# Altium PCB carrier_pcb.PcbDoc (part 1 of 3) (continued)
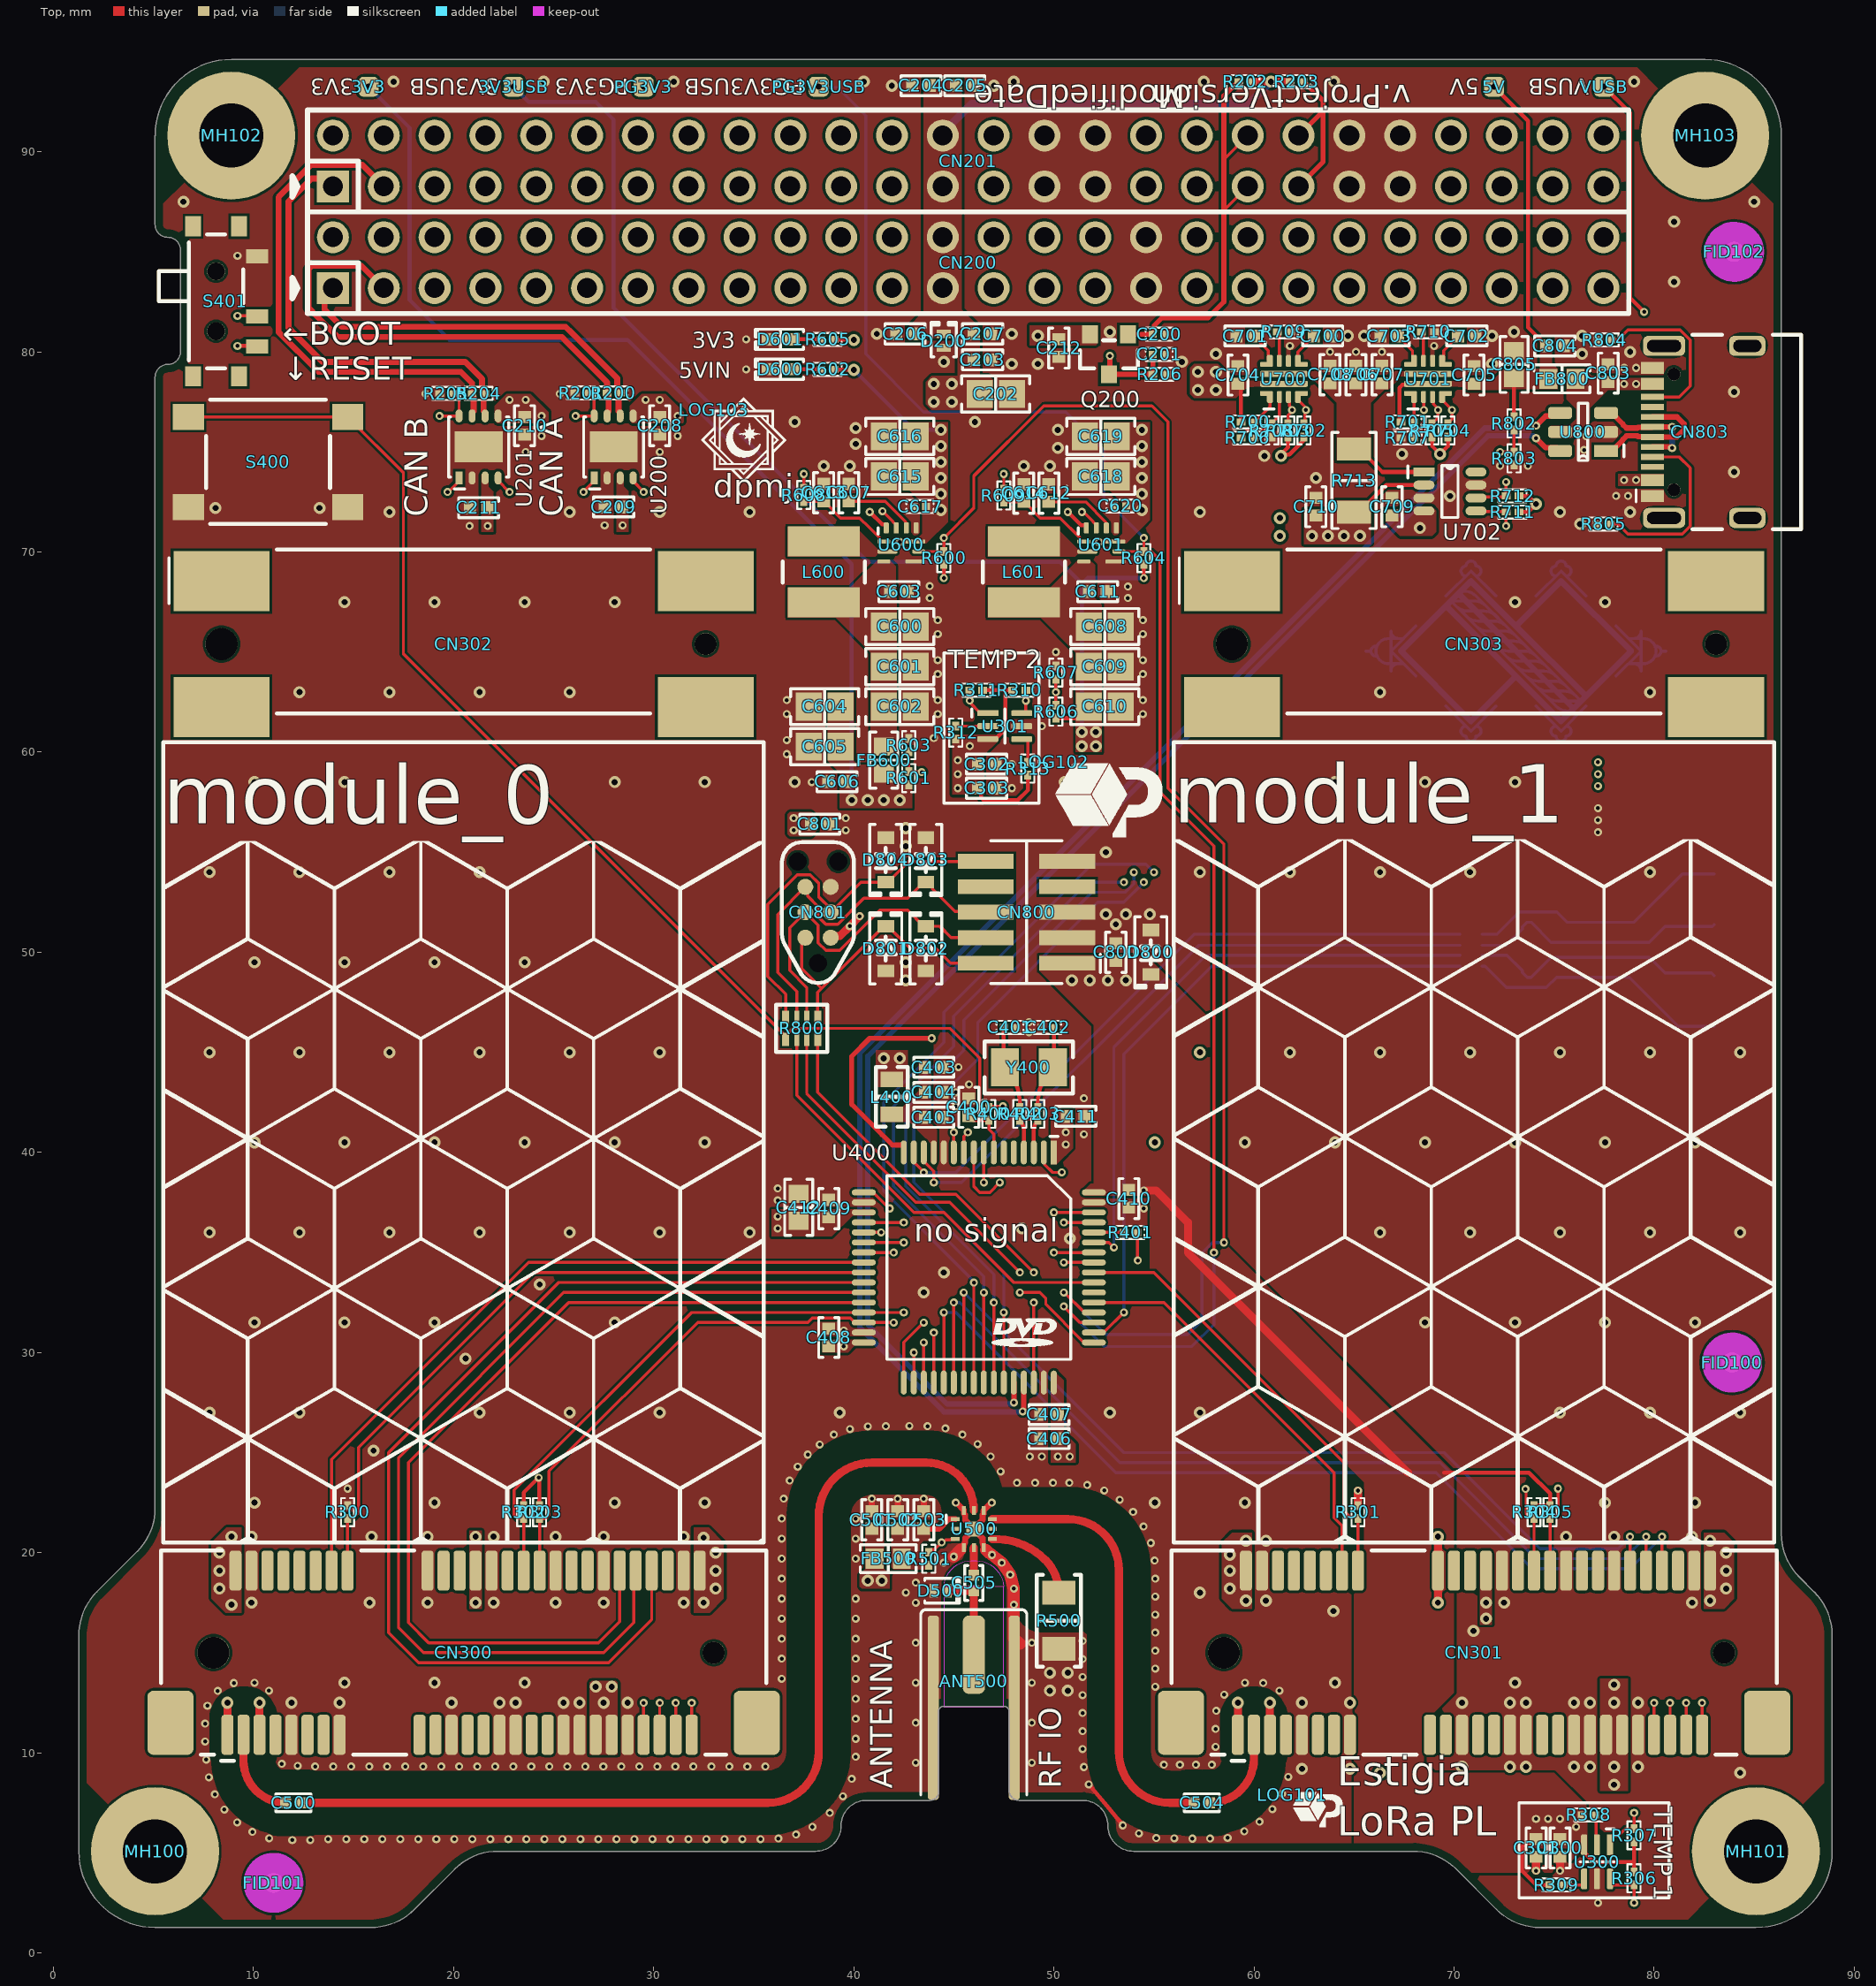
[diagram p0: Top view]
## Footprints (in the part's own frame and the unit in brackets; to place one, negate y for a bottom-side part, rotate by r counter-clockwise, add the part's x,y. Pads: shape width x height; smd on the part's side, far side on the other; paste and mask are expansions set on the pad) (continued)
  rrect50% 1x0.2 smd: 2(0.05,-1.175) 4(1.45,-1.675) 6(1.45,-0.675)
  rrect40% 0.25x0.55 smd: 7(1.5,0) 8(1,0) 9(0.5,0) 10(0,0)
  silkscreen extent -0.4,-0.3 -0.4,0, body extent -0.25,-1.92 1.75,0.08, height 1
VQFN-HR-TPS25947X [mm]
  rrect50% 0.6x0.3 smd: 1(-0.9,0.7) 4(-0.9,-0.7) 7(0.9,-0.7) 10(0.9,0.7)
  rrect50% 0.25x0.65 smd: 1(-0.725,0.875) 4(-0.725,-0.875) 7(0.725,-0.875) 10(0.725,0.875)
  rrect50% 0.6x0.25 smd: 2(-0.9,0.225) 3(-0.9,-0.225) 8(0.9,-0.225) 9(0.9,0.225)
  rrect50% 0.3x2.4 smd: 5(-0.25,0) 6(0.25,0)
  silkscreen extent -1.5,0.5 -1.5,1, body extent -1,-1 1,1, height 1
WS-TASV_L6W6H4.3_4301x20438x6 [mm] "SMD Tact Switch, body 6x6mm"
  rect 1.55x1.3 smd: A1(-3.975,2.25) A2(3.975,2.25) B1(-3.975,-2.25) B2(3.975,-2.25)
  silkscreen extent -3.1,-3.1 3.1,3.1, body extent -4.5,-3.1 4.5,3.1, height 4.3
"WURTH WS-SLSU 450404015514" [mm] "Right angle Slide Switch"
  rect 0.7x1.1 smd: 1(2.25,-2.05) 2(-0.75,-2.05) 3(-2.25,-2.05)
  rect 1x0.8 smd: M(-3.75,-1.15) M(-3.75,1.15) M(3.75,-1.15) M(3.75,1.15)
  round 0.9 hole 0.9 unplated: MH(-1.5,0) MH(1.5,0)
  silkscreen extent -3.35,-1.35 3.35,2.85, body extent -3.85,-2.25 3.85,2.88, height 1.4

## Part data
3V3 3V3USB 5V PG3V3 PG3V3USB VUSB: library part TestPoint-VIA, "Test point, thru-hole"
ANT500: library part MMCX-CONMMCX013, "MMCX Jack PCB Cutout Edge Mount Connector 0 to 8.5 GHz operation MMCX (female socket) connection"
C200 C201: library part GRM0335C1E221JA01D, "CAP CER 220PF 25V C0G/NP0 0201", Device Package="0201 (0603 Metric)", manufacturer="Murata Electronics", Operating Temperature="-55°C ~ 125°C", Supplier Part Number 1=490-GRM0335C1E221JA01DCT-ND, Temperature Coefficient="C0G, NP0", Tolerance=±5%, Voltage - Rated=25V, Applications="General Purpose", Capacitance="220 pF", componentlink2description="DigiKey Link", componentlink2url=https://www.digikey.com/en/products/detail/murata-electronics/GRM0335C1E221JA01D/10697031, lastupdated="04/06/2024 19:01:01", Lifecycle Status=Active, Minimum Order=1, Mounting Type="Surface Mount, MLCC", Package / Case="0201 (0603 Metric)", packaging=CutTape, Part Number=GRM0335C1E221JA01D, Part Status=Active, partid=46083, price=0.01, series=GRM, Size / Dimension="0.024\" L x 0.012\" W (0.60mm x 0.30mm)", Supplier 1=DigiKey, Thickness (Max)="0.013\" (0.33mm)"
C202: library part GRM21BR61A476ME15K, "CAP CER 47UF 10V X5R 0805", Device Package="0805 (2012 Metric)", manufacturer="Murata Electronics", Operating Temperature="-55°C ~ 85°C", Supplier Part Number 1=490-GRM21BR61A476ME15KCT-ND, Temperature Coefficient=X5R, Tolerance=±20%, Voltage - Rated=10V, Applications="General Purpose", Capacitance="47 µF", ComponentLink1Description=Datasheet, ComponentLink1URL=https://www.murata.com/-/media/webrenewal/support/library/catalog/products/capacitor/ceramiccapacitor/c02e.ashx?la=en-us&cvid=20210120024548000000, componentlink2description="DigiKey Link", componentlink2url=https://www.digikey.com/en/products/detail/murata-electronics/GRM21BR61A476ME15K/4905528, lastupdated="09/02/2024 20:14:59", Lifecycle Status=Active, Minimum Order=1, Mounting Type="Surface Mount, MLCC", Package / Case="0805 (2012 Metric)", packaging=TapeAndReel, Part Number=GRM21BR61A476ME15K, Part Status=Active, partid=44285, price=0.13, series=GRM, Size / Dimension="0.079\" L x 0.049\" W (2.00mm x 1.25mm)", Supplier 1=DigiKey, Thickness (Max)="0.057\" (1.45mm)"
C203 C301 C303 C403 C406 C708: library part GRT155C71A105KE13D, "CAP CER 1UF 10V X7S 0402", Device Package="0402 (1005 Metric)", manufacturer="Murata Electronics", Operating Temperature="-55°C ~ 125°C", Ratings=AEC-Q200, Supplier Part Number 1=490-GRT155C71A105KE13DCT-ND, Temperature Coefficient=X7S, Tolerance=±10%, Voltage - Rated=10V, Applications=Automotive, Capacitance="1 µF", ComponentLink1Description=Datasheet, ComponentLink1URL=https://search.murata.co.jp/Ceramy/image/img/A01X/G101/ENG/GRT155C71A105KE13-01.pdf, componentlink2description="DigiKey Link", componentlink2url=https://www.digikey.com/en/products/detail/murata-electronics/GRT155C71A105KE13D/10695747, lastupdated="09/02/2024 20:04:05", Lifecycle Status=Active, Minimum Order=1, Mounting Type="Surface Mount, MLCC", Package / Case="0402 (1005 Metric)", packaging=TapeAndReel, Part Number=GRT155C71A105KE13D, Part Status=Active, partid=47127, price=0.04, series=GRT, Size / Dimension="0.039\" L x 0.020\" W (1.00mm x 0.50mm)", Supplier 1=DigiKey, Thickness (Max)="0.024\" (0.60mm)"
C204 C205 C206 C207 C208 C209 C210 C211 C212 C300 C302 C400 C404 C407 C408 C409 C410 C411 C501 C502 C603 C606 C611 C613 C614 C704 C705 C706 C707 C709 C710 C800 C801 C802 C803 C804: library part C0402C104K4RECAUTO, "CAP CER 0402 0.1UF 16V X7R 10%", Device Package="0402 (1005 Metric)", manufacturer=KEMET, Operating Temperature="-55°C ~ 125°C", Ratings=AEC-Q200, Supplier Part Number 1=399-17167-1-ND, Temperature Coefficient=X7R, Tolerance=±10%, Voltage - Rated=16V, Applications="Automotive, ESD Protection", Capacitance="0.1 µF", ComponentLink1Description=Datasheet, ComponentLink1URL=https://api.kemet.com/component-edge/download/datasheet/C0402C104K4RECAUTO.pdf, componentlink2description="DigiKey Link", componentlink2url=https://www.digikey.com/en/products/detail/kemet/C0402C104K4RECAUTO/8563695, lastupdated="09/02/2024 20:04:38", Lifecycle Status=Active, Minimum Order=1, Mounting Type="Surface Mount, MLCC", Package / Case="0402 (1005 Metric)", packaging=TapeAndReel, Part Number=C0402C104K4RECAUTO, Part Status=Active, partid=1731, price=0.01, series="ESD SMD Auto X7R", Size / Dimension="0.039\" L x 0.020\" W (1.00mm x 0.50mm)", Supplier 1=DigiKey, Thickness (Max)="0.022\" (0.55mm)"
C401 C402: library part CBR02C120F3GAC, "CAP CER 12PF 25V C0G/NP0 0201", Device Package="0201 (0603 Metric)", manufacturer=KEMET, Operating Temperature="-55°C ~ 125°C", Supplier Part Number 1=399-8604-1-ND, Temperature Coefficient="C0G, NP0", Tolerance=±1%, Voltage - Rated=25V, Applications="RF, Microwave, High Frequency", Capacitance="12 pF", ComponentLink1Description=Datasheet, ComponentLink1URL=https://api.kemet.com/component-edge/download/datasheet/CBR02C120F3GAC.pdf, componentlink2description="DigiKey Link", componentlink2url=https://www.digikey.com/en/products/detail/kemet/CBR02C120F3GAC/3479199, Features="High Q, Low Loss, Ultra Low ESR", lastupdated="04/06/2024 19:01:11", Lifecycle Status=Active, Minimum Order=1, Mounting Type="Surface Mount, MLCC", Package / Case="0201 (0603 Metric)", packaging=TapeAndReel, Part Number=CBR02C120F3GAC, Part Status=Active, partid=143, price=0.07, series="CBR-SMD RF C0G", Size / Dimension="0.024\" L x 0.012\" W (0.60mm x 0.30mm)", Supplier 1=DigiKey, Thickness (Max)="0.013\" (0.33mm)"
C405 C503: library part GRM1555C1E103JE01J, "CAP CER 10000PF 25V C0G/NP0 0402", Device Package="0402 (1005 Metric)", manufacturer="Murata Electronics", Operating Temperature="-55°C ~ 125°C", Supplier Part Number 1=490-GRM1555C1E103JE01JCT-ND, Temperature Coefficient="C0G, NP0", Tolerance=±5%, Voltage - Rated=25V, Applications="General Purpose", Capacitance="10000 pF", ComponentLink1Description=Datasheet, ComponentLink1URL=https://search.murata.co.jp/Ceramy/image/img/A01X/G101/ENG/GRM1555C1E103JE01-01A.pdf, componentlink2description="DigiKey Link", componentlink2url=https://www.digikey.com/en/products/detail/murata-electronics/GRM1555C1E103JE01J/16033801, lastupdated="09/02/2024 20:04:09", Lifecycle Status=Active, Minimum Order=1, Mounting Type="Surface Mount, MLCC", Package / Case="0402 (1005 Metric)", packaging=TapeAndReel, Part Number=GRM1555C1E103JE01J, Part Status=Active, partid=41084, price=0.02, series=GRM, Size / Dimension="0.039\" L x 0.020\" W (1.00mm x 0.50mm)", Supplier 1=DigiKey, Thickness (Max)="0.026\" (0.65mm)"
C412 C805: library part GRM188Z71C475KE21J, "CAP CER 4.7UF 16V X7R 0603", Device Package="0603 (1608 Metric)", manufacturer="Murata Electronics", Operating Temperature="-55°C ~ 125°C", Supplier Part Number 1=490-GRM188Z71C475KE21JCT-ND, Temperature Coefficient=X7R, Tolerance=±10%, Voltage - Rated=16V, Applications="General Purpose", Capacitance="4.7 µF", ComponentLink1Description=Datasheet, ComponentLink1URL=https://search.murata.co.jp/Ceramy/image/img/A01X/G101/ENG/GRM188Z71C475KE21-01A.pdf, componentlink2description="DigiKey Link", componentlink2url=https://www.digikey.com/en/products/detail/murata-electronics/GRM188Z71C475KE21J/16033436, lastupdated="09/02/2024 20:09:51", Lifecycle Status=Active, Minimum Order=1, Mounting Type="Surface Mount, MLCC", Package / Case="0603 (1608 Metric)", packaging=TapeAndReel, Part Number=GRM188Z71C475KE21J, Part Status=Active, partid=41988, price=0.04, series=GRM, Size / Dimension="0.063\" L x 0.031\" W (1.60mm x 0.80mm)", Supplier 1=DigiKey, Thickness (Max)="0.039\" (1.00mm)"
C500 C504 C505: library part CBR04C101J3GAC, "CAP CER 100PF 25V C0G/NP0 0402", Device Package="0402 (1005 Metric)", manufacturer=KEMET, Operating Temperature="-55°C ~ 125°C", Supplier Part Number 1=399-17684-1-ND, Temperature Coefficient="C0G, NP0", Tolerance=±5%, Voltage - Rated=25V, Applications="RF, Microwave, High Frequency", Capacitance="100 pF", ComponentLink1Description=Datasheet, ComponentLink1URL=https://api.kemet.com/component-edge/download/datasheet/CBR04C101J3GAC.pdf, componentlink2description="DigiKey Link", componentlink2url=https://www.digikey.com/en/products/detail/kemet/CBR04C101J3GAC/8572519, Features="High Q, Low Loss, Ultra Low ESR", lastupdated="03/06/2024 19:38:14", Lifecycle Status=Active, Minimum Order=1, Mounting Type="Surface Mount, MLCC", Package / Case="0402 (1005 Metric)", packaging=TapeAndReel, Part Number=CBR04C101J3GAC, Part Status=Active, partid=681, price=0.02, series="CBR-SMD RF C0G", Size / Dimension="0.039\" L x 0.020\" W (1.00mm x 0.50mm)", Supplier 1=DigiKey, Thickness (Max)="0.022\" (0.55mm)"
C600 C601 C602 C604 C605 C608 C609 C610: library part C2012X7S1A226M125AC, "CAP CER 22UF 10V X7S 0805", Device Package="0805 (2012 Metric)", manufacturer="TDK Corporation", Operating Temperature="-55°C ~ 125°C", Supplier Part Number 1=445-14560-1-ND, Temperature Coefficient=X7S, Tolerance=±20%, Voltage - Rated=10V, Applications="General Purpose", Capacitance="22 µF", ComponentLink1Description=Datasheet, ComponentLink1URL=https://product.tdk.com/info/en/catalog/datasheets/mlcc_commercial_general_en.pdf?ref_disty=digikey, componentlink2description="DigiKey Link", componentlink2url=https://www.digikey.com/en/products/detail/tdk-corporation/C2012X7S1A226M125AC/3951796, Features="Low ESL", lastupdated="09/02/2024 20:15:52", Lifecycle Status=Active, Minimum Order=1, Mounting Type="Surface Mount, MLCC", Package / Case="0805 (2012 Metric)", packaging=TapeAndReel, Part Number=C2012X7S1A226M125AC, Part Status=Active, partid=47319, price=0.23, series=C, Size / Dimension="0.079\" L x 0.049\" W (2.00mm x 1.25mm)", Supplier 1=DigiKey, Thickness (Max)="0.057\" (1.45mm)"
C607 C612: library part CGA2B1X7S1C474K050BC, "CAP CER 0.47UF 16V X7S 0402", Device Package="0402 (1005 Metric)", manufacturer="TDK Corporation", Operating Temperature="-55°C ~ 125°C", Ratings=AEC-Q200, Supplier Part Number 1=445-174214-1-ND, Temperature Coefficient=X7S, Tolerance=±10%, Voltage - Rated=16V, Applications=Automotive, Capacitance="0.47 µF", ComponentLink1Description=Datasheet, ComponentLink1URL=https://product.tdk.com/info/en/catalog/datasheets/mlcc_automotive_general_en.pdf?ref_disty=digikey, componentlink2description="DigiKey Link", componentlink2url=https://www.digikey.com/en/products/detail/tdk-corporation/CGA2B1X7S1C474K050BC/4931442, lastupdated="09/02/2024 20:04:28", Lifecycle Status=Active, Minimum Order=1, Mounting Type="Surface Mount, MLCC", Package / Case="0402 (1005 Metric)", packaging=TapeAndReel, Part Number=CGA2B1X7S1C474K050BC, Part Status=Active, partid=7602, price=0.03, series=CGA, Size / Dimension="0.039\" L x 0.020\" W (1.00mm x 0.50mm)", Supplier 1=DigiKey, Thickness (Max)="0.022\" (0.55mm)"
C615 C616 C618 C619: library part C2012X7S1E106K125AC, "CAP CER 10UF 25V X7S 0805", Device Package="0805 (2012 Metric)", manufacturer="TDK Corporation", Operating Temperature="-55°C ~ 125°C", Supplier Part Number 1=445-181600-1-ND, Temperature Coefficient=X7S, Tolerance=±10%, Voltage - Rated=25V, Applications="General Purpose", Capacitance="10 µF", ComponentLink1Description=Datasheet, ComponentLink1URL=https://product.tdk.com/en/search/capacitor/ceramic/mlcc/info?part_no=C2012X7S1E106K125AC?ref_disty=digikey, componentlink2description="DigiKey Link", componentlink2url=https://www.digikey.com/en/products/detail/tdk-corporation/C2012X7S1E106K125AC/9991385, Features="Low ESL", lastupdated="09/02/2024 20:16:06", Lifecycle Status=Active, Minimum Order=1, Mounting Type="Surface Mount, MLCC", Package / Case="0805 (2012 Metric)", packaging=TapeAndReel, Part Number=C2012X7S1E106K125AC, Part Status=Active, partid=39303, price=0.11, series=C, Size / Dimension="0.079\" L x 0.049\" W (2.00mm x 1.25mm)", Supplier 1=DigiKey, Thickness (Max)="0.059\" (1.50mm)"
C617 C620: library part CC0201KRX7R8BB222, "CAP CER 2200PF 25V X7R 0201", Device Package="0201 (0603 Metric)", manufacturer=Yageo, Operating Temperature="-55°C ~ 125°C", Supplier Part Number 1=13-CC0201KRX7R8BB222CT-ND, Temperature Coefficient=X7R, Tolerance=±10%, Voltage - Rated=25V, Applications="General Purpose", Capacitance="2200 pF", ComponentLink1Description=Datasheet, ComponentLink1URL=https://www.yageo.com/upload/media/product/productsearch/datasheet/mlcc/UPY-GPHC_X7R_6.3V-to-250V_22.pdf, componentlink2description="DigiKey Link", componentlink2url=https://www.digikey.com/en/products/detail/yageo/CC0201KRX7R8BB222/11490225, lastupdated="04/06/2024 19:00:56", Lifecycle Status=Active, Minimum Order=1, Mounting Type="Surface Mount, MLCC", Package / Case="0201 (0603 Metric)", packaging=CutTape, Part Number=CC0201KRX7R8BB222, Part Status=Active, partid=52408, price=0.01, series=CC, Size / Dimension="0.024\" L x 0.012\" W (0.60mm x 0.30mm)", Supplier 1=DigiKey, Thickness (Max)="0.013\" (0.33mm)"
C700 C702: library part GRM1557U1A332JA01D, "CAP CER 3300PF 10V U2J 0402", Device Package="0402 (1005 Metric)", manufacturer="Murata Electronics", Operating Temperature="-55°C ~ 125°C", Supplier Part Number 1=490-6276-1-ND, Temperature Coefficient=U2J, Tolerance=±5%, Voltage - Rated=10V, Applications="General Purpose", Capacitance="3300 pF", ComponentLink1Description=Datasheet, ComponentLink1URL=https://www.murata.com/~/media/webrenewal/support/library/catalog/products/capacitor/mlcc/c02e.ashx?la=en-us, componentlink2description="DigiKey Link", componentlink2url=https://www.digikey.com/en/products/detail/murata-electronics/GRM1557U1A332JA01D/2610576, lastupdated="09/02/2024 20:04:23", Lifecycle Status=Active, Minimum Order=1, Mounting Type="Surface Mount, MLCC", Package / Case="0402 (1005 Metric)", packaging=TapeAndReel, Part Number=GRM1557U1A332JA01D, Part Status=Active, partid=11059, price=0.01, series=GRM, Size / Dimension="0.039\" L x 0.020\" W (1.00mm x 0.50mm)", Supplier 1=DigiKey, Thickness (Max)="0.022\" (0.55mm)"
C701 C703: library part C0402C222J8JAC7867, "CAP CER 2200PF 10V U2J 0402", Device Package="0402 (1005 Metric)", manufacturer=KEMET, Operating Temperature="-55°C ~ 125°C", Supplier Part Number 1=399-13404-1-ND, Temperature Coefficient=U2J, Tolerance=±5%, Voltage - Rated=10V, Applications="General Purpose", Capacitance="2200 pF", ComponentLink1Description=Datasheet, ComponentLink1URL=https://api.kemet.com/component-edge/download/datasheet/C0402C222J8JAC7867.pdf, componentlink2description="DigiKey Link", componentlink2url=https://www.digikey.com/en/products/detail/kemet/C0402C222J8JAC7867/6123085, Features="Low ESL, Low Dissipation Factor", lastupdated="09/02/2024 20:04:24", Lifecycle Status=Active, Minimum Order=1, Mounting Type="Surface Mount, MLCC", Package / Case="0402 (1005 Metric)", packaging=TapeAndReel, Part Number=C0402C222J8JAC7867, Part Status=Active, partid=41131, price=0.02, series="SMD Comm U2J", Size / Dimension="0.039\" L x 0.020\" W (1.00mm x 0.50mm)", Supplier 1=DigiKey, Thickness (Max)="0.022\" (0.55mm)"
CN200: library part "CubeSat Header H1 LoRa PL", "LoRa Payload only pins SAMTEC SSQ-126-04-G-D", System=Connector
CN201: library part "CubeSat Header H2 LoRa PL", "LoRa Payload only pins", System=Connector
CN300 CN301: library part "MiniPCIe Socket", System=Connector
CN302 CN303: library part "MiniPCIe Socket latch"
CN800: library part "SWD Header 2x5 1.27mm", "Samtec FTSH-105-L-DV"
CN802: library part "UART Header 1x6 2.54mm", "Header 1x6 2.54mm"
CN803: library part "USB-C USB4105-GF-A"
D200: "1-LINE 5V 0.15PF 1.1R ESD SLP100", Capacitance @ Frequency="0.14pF @ 1MHz", Current - Peak Pulse (10/1000µs)="2A (8/20µs)", Device Package="0402 (1005 Metric)", manufacturer="Semtech Corporation", Operating Temperature="-40°C ~ 125°C (TJ)", Power - Peak Pulse=40W, Power Line Protection=No, Supplier Device Package=SLP1006P2, Supplier Part Number 1=600-RCLAMP0561PQTCT-ND, Voltage - Breakdown (Min)=6.5V, Voltage - Clamping (Max) @ Ipp=20V, Voltage - Reverse Standoff (Typ)="5.5V (Max)", Applications="HDMI, USB", Bidirectional Channels=1, ComponentLink1Description=Datasheet, ComponentLink1URL=https://semtech.my.salesforce.com/sfc/p/#E0000000JelG/a/2R000000UtDi/1jVA5kaukM6E3zuZeKc6Qe4VpVKspnyk2AdLBSY77Ow, componentlink2description="DigiKey Link", componentlink2url=https://www.digikey.com/en/products/detail/semtech-corporation/RCLAMP0561PQTCT/20370677, lastupdated="03/06/2024 20:22:58", Lifecycle Status=Active, Minimum Order=1, Mounting Type="Surface Mount", Package / Case="0402 (1005 Metric)", packaging=TapeAndReel, Part Number=RCLAMP0561PQTCT, partid=11797, price=0.13, series=RailClamp®, Supplier 1=DigiKey, Type=Zener
D500: "TVS DIODE 4V 1005", Capacitance @ Frequency="0.05pF @ 1MHz", Device Package="0402 (1005 Metric)", manufacturer="Murata Electronics", Operating Temperature="-40°C ~ 85°C (TA)", Power Line Protection=No, Supplier Device Package=1005, Supplier Part Number 1=490-13210-2-ND, Voltage - Reverse Standoff (Typ)=4V, Applications="General Purpose", Bidirectional Channels=1, ComponentLink1Description=Datasheet, ComponentLink1URL=https://www.murata.com/en-us/products/productdata/8796832759838/CRESD-E.pdf, componentlink2description="DigiKey Link", componentlink2url=http://digikey.com/product-detail/en/murata-electronics/LXES15AAA1-153/490-13210-2-ND/5843762, lastupdated="03/06/2024 20:23:00", Lifecycle Status=Active, Minimum Order=0, Mounting Type="Surface Mount", Package / Case="0402 (1005 Metric)", packaging=TapeAndReel, Part Number=LXES15AAA1-153, Part Status=Active, partid=10448, price=0.04, series=-, Supplier 1=DigiKey, Type=Zener
D600: library part EAST10052GA0, "LED GREEN CLEAR 2SMD", Current - Test=5mA, Device Package="0402 (1005 Metric)", Lens Color=Colorless, manufacturer="Everlight Electronics Co Ltd", Supplier Device Package=2-SMD, Supplier Part Number 1=1080-1557-1-ND, Voltage - Forward (Vf) (Typ)=2.95V, Color=Green, ComponentLink1Description=Datasheet, ComponentLink1URL=https://everlightamericas.com/index.php?controller=attachment&id_attachment=3256, componentlink2description="DigiKey Link", componentlink2url=https://www.digikey.com/en/products/detail/everlight-electronics-co-ltd/EAST10052GA0/8510366, Configuration=Standard, Height (Max)=0.25mm, lastupdated="03/06/2024 19:58:14", Lens Size="1.00mm x 0.50mm", Lens Style="Rectangle with Flat Top", Lens Transparency=Clear, Lifecycle Status=Active, Minimum Order=1, Mounting Type="Surface Mount", Package / Case="0402 (1005 Metric)", packaging=TapeAndReel, Part Number=EAST10052GA0, Part Status=Active, partid=696, price=0.09, series=-, Size / Dimension="1.00mm L x 0.50mm W", Supplier 1=DigiKey, Viewing Angle=120°, Wavelength - Peak=518nm
D601: library part FHY1105P-TR, "LED YELLOW CLEAR 1005 SMD", Current - Test=5mA, Device Package="0402 (1005 Metric)", Lens Color=Colorless, manufacturer="Stanley Electric Co", Millicandela Rating=32mcd, Supplier Device Package=1005, Supplier Part Number 1=404-1209-1-ND, Voltage - Forward (Vf) (Typ)=1.9V, Color=Yellow, ComponentLink1Description=Datasheet, ComponentLink1URL=http://www.stanley-components.com/php/downloaddatafile.php?rp=0,FHY1105P-TR_e.pdf, componentlink2description="DigiKey Link", componentlink2url=https://www.digikey.com/en/products/detail/stanley-electric-co/FHY1105P-TR/6205303, Configuration=Standard, Height (Max)=0.25mm, lastupdated="03/06/2024 20:00:47", Lens Size="1.00mm x 0.50mm", Lens Style="Rectangle with Flat Top", Lens Transparency=Clear, Lifecycle Status=Active, Minimum Order=1, Mounting Type="Surface Mount", Package / Case="0402 (1005 Metric)", packaging=TapeAndReel, Part Number=FHY1105P-TR, Part Status=Active, partid=166, price=0.05, series=-, Size / Dimension="1.00mm L x 0.50mm W", Supplier 1=DigiKey, Wavelength - Dominant=590nm, Wavelength - Peak=594nm
D800 D801 D802 D803 D804 D805 D806 D807 D808 D809: "TVS DIODE 3.3VWM 26VC SOD323", Capacitance @ Frequency="101pF @ 1MHz", Current - Peak Pulse (10/1000µs)="18A (8/20µs)", manufacturer="Nexperia USA Inc.", Operating Temperature="-65°C ~ 150°C (TA)", Package / Case="SC-76, SOD-323", Power - Peak Pulse=500W, Power Line Protection=No, Supplier Device Package=SOD-323, Supplier Part Number 1=1727-3825-1-ND, Voltage - Breakdown (Min)=5.8V, Voltage - Clamping (Max) @ Ipp=26V, Voltage - Reverse Standoff (Typ)="3.3V (Max)", Applications="General Purpose", Bidirectional Channels=1, ComponentLink1Description=Datasheet, ComponentLink1URL=https://assets.nexperia.com/documents/data-sheet/PESDXL1BA_SER.pdf, componentlink2description="DigiKey Link", componentlink2url=https://www.digikey.com/en/products/detail/nexperia-usa-inc/PESD3V3L1BA-115/1157438, lastupdated="03/06/2024 20:22:28", Lifecycle Status=Active, Minimum Order=1, Mounting Type="Surface Mount", packaging=TapeAndReel, Part Number=PESD3V3L1BA,115, Part Status=Active, partid=9994, price=0.06, series=-, Supplier 1=DigiKey, Type=Zener
FB500 FB600 FB800: library part BLE18PS080SN1D, "FERRITE BEAD 8.5 OHM 0603 1LN", Current Rating (Max)=8A, DC Resistance (DCR) (Max)=4mOhm, Device Package="0603 (1608 Metric)", manufacturer="Murata Electronics", Operating Temperature="-55°C ~ 125°C", Supplier Part Number 1=490-BLE18PS080SN1DCT-ND, ComponentLink1Description=Datasheet, ComponentLink1URL=https://www.murata.com/products/productdata/8800169525278/ENFA0080.pdf, componentlink2description="DigiKey Link", componentlink2url=https://www.digikey.com/en/products/detail/murata-electronics/BLE18PS080SN1D/13904803, Filter Type="Power Line", Height (Max)="0.030\" (0.75mm)", Impedance @ Frequency="8.5 Ohms @ 100 MHz", lastupdated="03/06/2024 19:51:46", Lifecycle Status=Active, Minimum Order=1, Mounting Type="Surface Mount", Number of Lines=1, Package / Case="0603 (1608 Metric)", packaging=TapeAndReel, Part Number=BLE18PS080SN1D, Part Status=Active, partid=2651, price=0.08, series="EMIFIL®, BLE18", Size / Dimension="0.063\" L x 0.031\" W (1.60mm x 0.80mm)", Supplier 1=DigiKey
FID100 FID101 FID102: "FIducial Mark (concentric 1 mm, 3 mm)"
L400: library part B82496C3101J000, "FIXED IND 100NH 200MA 1.8 OHM", Current Rating (Amps)=200mA, DC Resistance (DCR)="1.8Ohm Max", Device Package="0603 (1608 Metric)", Frequency - Self Resonant=1.8GHz, Inductance Frequency - Test=100MHz, manufacturer="TDK Electronics Inc.", Operating Temperature="-55°C ~ 150°C", Q @ Freq="14 @ 100MHz", Ratings=AEC-Q200, Supplier Part Number 1=495-1825-1-ND, Tolerance=±5%, ComponentLink1Description=Datasheet, ComponentLink1URL=https://www.tdk-electronics.tdk.com/inf/30/db/ind_2008/b82496c.pdf, componentlink2description="DigiKey Link", componentlink2url=http://digikey.com/product-detail/en/tdk-electronics-inc/B82496C3101J000/495-1825-1-ND/697680, Inductance=100nH, lastupdated="06/09/2020 11:05:16", Lifecycle Status=Active, Material - Core=Ceramic, Minimum Order=1, Mounting Type="Surface Mount", Package / Case="0603 (1608 Metric)", packaging=TapeAndReel, Part Number=B82496C3101J000, Part Status=Active, partid=755, price=0.16, series=SIMID, Shielding=Unshielded, Supplier 1=DigiKey, Supplier Device Package="0603 (1608 Metric)", Type=Wirewound
L600 L601: library part SRN4018-2R2M, "FIXED IND 2.2UH 2.9A 44 MOHM SMD", Current - Saturation=3A, Current Rating (Amps)="2.9 A", DC Resistance (DCR)="44mOhm Max", Device Package=Nonstandard, Frequency - Self Resonant=60MHz, Inductance Frequency - Test="100 kHz", manufacturer="Bourns Inc.", Operating Temperature="-40°C ~ 125°C", Q @ Freq="9 @ 7.96MHz", Supplier Part Number 1=SRN4018-2R2MCT-ND, Tolerance=±20%, ComponentLink1Description=Datasheet, ComponentLink1URL=https://www.bourns.com/docs/Product-Datasheets/SRN4018.pdf, componentlink2description="DigiKey Link", componentlink2url=https://www.digikey.com/en/products/detail/bourns-inc/SRN4018-2R2M/3821619, Height - Seated (Max)="0.071\" (1.80mm)", Inductance="2.2 µH", lastupdated="03/06/2024 20:24:37", Lifecycle Status=Active, Material - Core=Ferrite, Minimum Order=1, Mounting Type="Surface Mount", Package / Case=Nonstandard, packaging=TapeAndReel, Part Number=SRN4018-2R2M, Part Status=Active, partid=3660, price=0.17, series=SRN4018, Shielding=Shielded, Size / Dimension="0.157\" L x 0.157\" W (4.00mm x 4.00mm)", Supplier 1=DigiKey, Type="Drum Core, Wirewound"
LOG100 LOG101 LOG102 LOG103 LOG104 LOG105: library part Logo
MH100 MH101 MH102 MH103: library part "MH M3"
Q200: "MOSFET P-CH 50V 130MA SOT23-3", Current - Continuous Drain (Id) @ 25°C="130mA (Ta)", Drain to Source Voltage (Vdss)="50 V", Drive Voltage (Max Rds On,  Min Rds On)=5V, Input Capacitance (Ciss) (Max) @ Vds="45 pF @ 25 V", manufacturer="Diodes Incorporated", Operating Temperature="-55°C ~ 150°C (TJ)", Package / Case="TO-236-3, SC-59, SOT-23-3", Power Dissipation (Max)="300mW (Ta)", Supplier Device Package=SOT-23-3, Supplier Part Number 1=BSS84-FDICT-ND, ComponentLink1Description=Datasheet, ComponentLink1URL=https://www.diodes.com/assets/Datasheets/ds30149.pdf, componentlink2description="DigiKey Link", componentlink2url=https://www.digikey.com/en/products/detail/diodes-incorporated/BSS84-7-F/717724, FET Type=P-Channel, lastupdated="03/06/2024 20:15:20", Lifecycle Status=Active, Minimum Order=1, Mounting Type="Surface Mount", packaging=TapeAndReel, Part Number=BSS84-7-F, Part Status=Active, price=0.02, Rds On (Max) @ Id, Vgs="10Ohm @ 100mA, 5V", series=-, Supplier 1=DigiKey, Technology="MOSFET (Metal Oxide)", Vgs (Max)=±20V, Vgs(th) (Max) @ Id="2V @ 1mA"
R200 R204: library part CRCW0201120RFNED, "RES SMD 120 OHM 1% 1/20W 0201", Device Package="0201 (0603 Metric)", manufacturer="Vishay Dale", Operating Temperature="-55°C ~ 155°C", Power (Watts)="0.05W, 1/20W", Supplier Device Package=201, Supplier Part Number 1=541-CRCW0201120RFNEDCT-ND, Temperature Coefficient=±200ppm/°C, Tolerance=±1%, ComponentLink1Description=Datasheet, ComponentLink1URL=http://www.vishay.com/docs/20052/crcw0201e3.pdf, componentlink2description="DigiKey Link", componentlink2url=https://www.digikey.com/en/products/detail/vishay-dale/CRCW0201120RFNED/1199704, Composition="Thick Film", Height - Seated (Max)="0.010\" (0.26mm)", lastupdated="04/06/2024 19:11:56", Lifecycle Status=Active, Minimum Order=1, Number of Terminations=2, Package / Case="0201 (0603 Metric)", packaging=TapeAndReel, Part Number=CRCW0201120RFNED, Part Status=Active, partid=2072, price=0.01, Resistance="120 Ohms", series="CRCW0201 e3", Size / Dimension="0.024\" L x 0.012\" W (0.60mm x 0.30mm)", Supplier 1=DigiKey
R201 R205 R206 R600 R604 R702 R703 R704 R705: library part RC0201FR-13100KL, "RES 100K OHM 1% 1/20W 0201", Device Package="0201 (0603 Metric)", manufacturer=Yageo, Operating Temperature="-55°C ~ 125°C", Power (Watts)="0.05W, 1/20W", Supplier Device Package=0201, Supplier Part Number 1=13-RC0201FR-13100KLCT-ND, Temperature Coefficient=±200ppm/°C, Tolerance=±1%, ComponentLink1Description=Datasheet, ComponentLink1URL=https://www.yageo.com/upload/media/product/productsearch/datasheet/rchip/PYu-RC_Group_51_RoHS_L_12.pdf, componentlink2description="DigiKey Link", componentlink2url=https://www.digikey.com/en/products/detail/yageo/RC0201FR-13100KL/17014509, Composition="Thick Film", Features="Moisture Resistant", Height - Seated (Max)="0.010\" (0.26mm)", lastupdated="04/06/2024 19:11:47", Lifecycle Status=Active, Minimum Order=1, Number of Terminations=2, Package / Case="0201 (0603 Metric)", packaging=CutTape, Part Number=RC0201FR-13100KL, partid=80199, price=0.01, Resistance="100 kOhms", series=RC_L, Size / Dimension="0.024\" L x 0.012\" W (0.60mm x 0.30mm)", Supplier 1=DigiKey
R202 R203: library part CRCW02011M00JNED, "RES SMD 1M OHM 5% 1/20W 0201", Device Package="0201 (0603 Metric)", manufacturer="Vishay Dale", Operating Temperature="-55°C ~ 155°C", Power (Watts)="0.05W, 1/20W", Supplier Device Package=201, Supplier Part Number 1=541-CRCW02011M00JNEDCT-ND, Temperature Coefficient=±200ppm/°C, Tolerance=±5%, ComponentLink1Description=Datasheet, ComponentLink1URL=http://www.vishay.com/docs/20052/crcw0201e3.pdf, componentlink2description="DigiKey Link", componentlink2url=https://www.digikey.com/en/products/detail/vishay-dale/CRCW02011M00JNED/1199588, Composition="Thick Film", Height - Seated (Max)="0.010\" (0.26mm)", lastupdated="04/06/2024 19:12:01", Lifecycle Status=Active, Minimum Order=1, Number of Terminations=2, Package / Case="0201 (0603 Metric)", packaging=TapeAndReel, Part Number=CRCW02011M00JNED, Part Status=Active, partid=493, price=0.01, Resistance="1 MOhms", series="CRCW0201 e3", Size / Dimension="0.024\" L x 0.012\" W (0.60mm x 0.30mm)", Supplier 1=DigiKey